# Altium PCB ЕРКФ.758725.093Д11_и1_МВВ.PcbDoc (part 1 of 3) (continued)
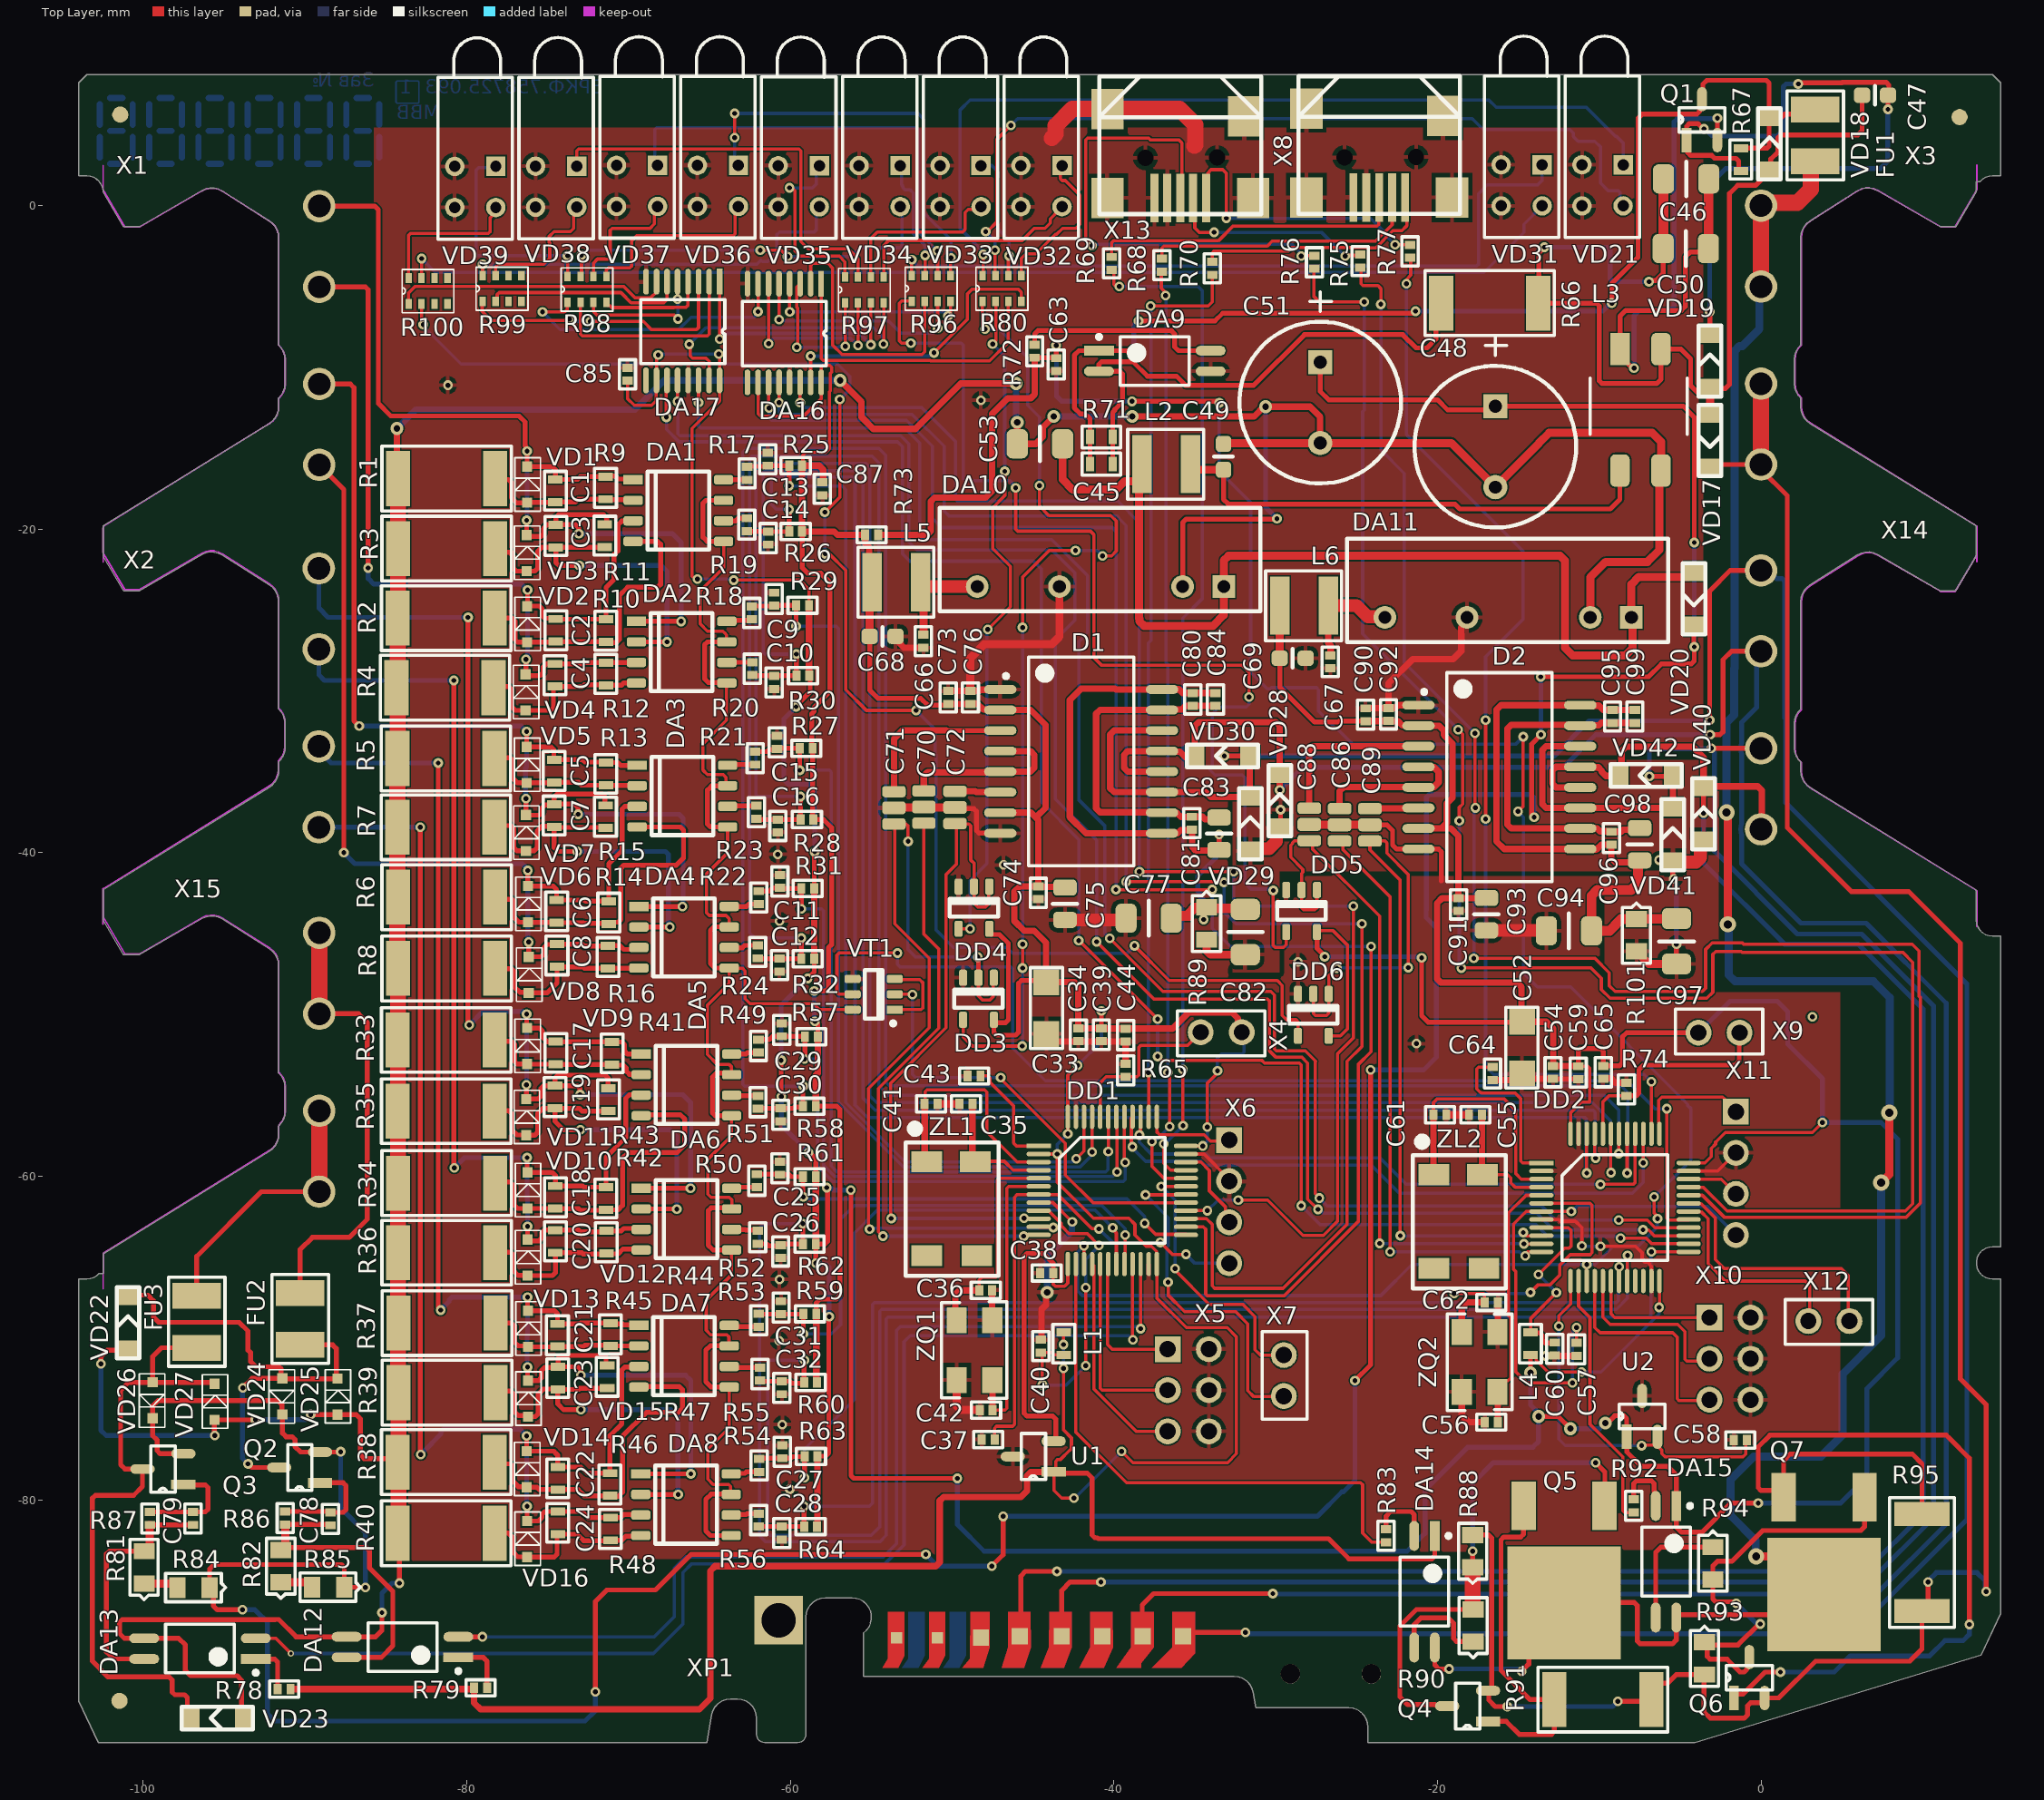
[diagram p0: Top Layer view]
## Components (designator, comment, footprint, x,y, rotation, side; value= is the part's Value field where it differs from the comment) (continued)
R21 "200" res_0402 -62.175,-34.15 r90 top
R22 "200" res_0402 -61.95,-42.775 r90 top
R23 "200" res_0402 -62.1,-37.5 r270 top
R24 "200" res_0402 -62.025,-46.125 r270 top
R25 "10k" res_0402 -59.675,-16.075 r0 top
R26 "10k" res_0402 -59.675,-20.15 r0 top
R27 "10k" res_0402 -59.025,-33.55 r0 top
R28 "10k" res_0402 -58.975,-37.95 r0 top
R29 "10k" res_0402 -59.25,-24.7 r0 top
R30 "10k" res_0402 -59.225,-29.05 r0 top
R31 "10k" res_0402 -58.925,-42.2 r0 top
R32 "10k" res_0402 -58.925,-46.55 r0 top
R33 "1.5k" 2512_res -81.275,-51.575 r0 top
R34 "1.5k" 2512_res -81.25,-60.425 r0 top
R35 "1.5k" 2512_res -81.275,-55.975 r0 top
R36 "1.5k" 2512_res -81.25,-64.725 r0 top
R37 "1.5k" 2512_res -81.225,-69.075 r0 top
R38 "1.5k" 2512_res -81.275,-77.671 r0 top
R39 "1.5k" 2512_res -81.225,-73.375 r0 top
R40 "1.5k" 2512_res -81.275,-82.071 r0 top
R41 "200" 0603_res -71.025,-52.4 r90 top
R42 "200" 0603_res -71.4,-61.375 r90 top
R43 "200" 0603_res -71.25,-55.25 r90 top
R44 "200" 0603_res -71.375,-64.075 r90 top
R45 "200" 0603_res -71.125,-69.775 r90 top
R46 "200" 0603_res -71.15,-79.05 r90 top
R47 "200" 0603_res -71.325,-72.4 r90 top
R48 "200" 0603_res -71.125,-81.8 r90 top
R49 "200" res_0402 -61.975,-51.95 r90 top
R50 "200" res_0402 -62.075,-60.275 r90 top
R51 "200" res_0402 -62,-55.425 r270 top
R52 "200" res_0402 -62.025,-63.775 r270 top
R53 "200" res_0402 -61.95,-68.9 r90 top
R54 "200" res_0402 -61.925,-77.875 r90 top
R55 "200" res_0402 -61.875,-72.225 r270 top
R56 "200" res_0402 -61.95,-81.25 r270 top
R57 "10k" res_0402 -58.7,-51.375 r0 top
R58 "10k" res_0402 -58.825,-55.675 r0 top
R59 "10k" res_0402 -58.8,-68.5 r0 top
R60 "10k" res_0402 -58.75,-72.75 r0 top
R61 "10k" res_0402 -58.825,-60.025 r0 top
R62 "10k" res_0402 -58.825,-64.2 r0 top
R63 "10k" res_0402 -58.725,-77.325 r0 top
R64 "10k" res_0402 -58.75,-81.65 r0 top
R65 "100k" res_0402 -39.275,-53.45 r270 top
R66 "1.5k" 2512_res -16.775,-6.025 r180 top
R67 "10k" 0603_res -1.25,2.85 r270 top
R68 "22" res_0402 -37.025,-3.675 r90 top
R69 "22" res_0402 -40.15,-3.575 r90 top
R70 "100k" res_0402 -33.925,-3.875 r90 top
R71 "200" 0603_res -40.775,-14.3 r180 top
R72 "200" res_0402 -44.9,-9 r270 top
R73 "10k" res_0402 -54.975,-20.35 r180 top
R74 "100k" res_0402 -8.325,-54.625 r270 top
R75 "22" res_0402 -24.775,-3.425 r90 top
R76 "22" res_0402 -27.6,-3.5 r90 top
R77 "100k" res_0402 -21.7,-2.825 r90 top
R78 "330" res_0402 -91.3,-91.7 r180 top
R79 "330" res_0402 -79.15,-91.625 r0 top
R80 "220" YC164 -48.125,-5.925 r90 top
R81 "1k" 0805-res -99.95,-84.175 r270 top
R82 "1k" 0805-res -91.5,-84.1 r270 top
R83 "330" res_0402 -23.175,-82.225 r90 top
R84 "1k" 0805-res -96.9,-85.425 r0 top
R85 "1k" 0805-res -88.575,-85.4 r0 top
R86 "2k" res_0402 -91.225,-81.125 r90 top
R87 "2k" res_0402 -99.6,-81.15 r90 top
R88 "100k" 0805-res -17.825,-83.175 r270 top
R89 "1M" 0805-res -34.275,-44.375 r90 top
R90 "10k" 0805-res -17.8,-87.775 r270 top
R91 "4.7" 2512_res -9.775,-92.35 r180 top
R92 "330" res_0402 -7.875,-80.375 r90 top
R93 "100k" 0805-res -3.5,-89.8 r90 top
R94 "10k" 0805-res -2.975,-83.925 r90 top
R95 "4.7" 2512_res 9.95,-83.875 r90 top
R96 "220" YC164 -52.5,-5.925 r90 top
R97 "220" YC164 -56.625,-6 r90 top
R98 "220" YC164 -73.775,-5.975 r90 top
R99 "220" YC164 -79.025,-5.925 r90 top
R100 "220" YC164 -83.6,-6.075 r90 top
R101 "1M" 0805-res -7.7,-45.1 r90 top
U1 "lm60" sot23 -43.725,-78.275 r180 top
U2 "lm60" sot23 -8.3,-76.1 r90 top
VD1 "1N4448" sod-323 -76.275,-17.25 r90 top
VD2 "1N4448" sod-323 -76.275,-25.875 r90 top
VD3 "1N4448" sod-323 -76.3,-21.475 r90 top
VD4 "1N4448" sod-323 -76.375,-30.085 r90 top
VD5 "1N4448" sod-323 -76.3,-34.575 r90 top
VD6 "1N4448" sod-323 -76.225,-43.175 r90 top
VD7 "1N4448" sod-323 -76.35,-38.775 r90 top
VD8 "1N4448" sod-323 -76.175,-47.55 r90 top
VD9 "1N4448" sod-323 -76.275,-51.95 r90 top
VD10 "1N4448" sod-323 -76.25,-60.875 r90 top
VD11 "1N4448" sod-323 -76.325,-56.35 r90 top
VD12 "1N4448" sod-323 -76.25,-65.025 r90 top
VD13 "1N4448" sod-323 -76.225,-69.425 r90 top
VD14 "1N4448" sod-323 -76.3,-78.11 r90 top
VD15 "1N4448" sod-323 -76.225,-73.75 r90 top
VD16 "1N4448" sod-323 -76.275,-82.425 r90 top
VD17 "1N4448W" SOD-123 -3.15,-14.525 r270 top
VD18 "PTVS33VS1UTR" SOD-123 0.525,3.825 r90 top
VD19 "MMSZ5252BT1G" SOD-123 -3.15,-9.6 r90 top
VD20 "1N4448W" SOD-123 -4.15,-24.3 r270 top
VD21 "Diod_sv_L-7104F0" L-7104_ -8.525,2.525 r270 top locked
VD22 "PTVS33VS1UTR" SOD-123 -100.95,-69.05 r90 top
VD23 "PTVS33VS1UTR" SOD-123 -95.425,-93.5 r180 top
VD24 "1N4448" sod-323 -91.4,-73.6 r270 top
VD25 "1N4448" sod-323 -88,-73.625 r90 top
VD26 "1N4448" sod-323 -99.425,-73.85 r270 top
VD27 "1N4448" sod-323 -95.6,-73.94 r90 top
VD28 "PTVS33VS1UTR" SOD-123 -29.75,-36.775 r90 top
VD29 "PTVS33VS1UTR" SOD-123 -31.575,-38.2 r90 top
VD30 "PTVS33VS1UTR" SOD-123 -33.3,-34.025 r180 top
VD31 "Diod_sv_L-7104F0" L-7104_ -13.525,2.525 r270 top locked
VD32 "Diod_sv_L-7104F0" L-7104_ -43.21,2.475 r270 top locked
VD33 "Diod_sv_L-7104F0" L-7104_ -48.21,2.475 r270 top locked
VD34 "Diod_sv_L-7104F0" L-7104_ -53.21,2.475 r270 top locked
VD35 "Diod_sv_L-7104F0" L-7104_ -58.21,2.465 r270 top locked
VD36 "Diod_sv_L-7104F0" L-7104_ -63.21,2.49 r270 top locked
VD37 "Diod_sv_L-7104F0" L-7104_ -68.21,2.49 r270 top locked
VD38 "Diod_sv_L-7104F0" L-7104_ -73.21,2.44 r270 top locked
VD39 "Diod_sv_L-7104F0" L-7104_ -78.21,2.425 r270 top locked
VD40 "PTVS33VS1UTR" SOD-123 -3.55,-37.6 r90 top
VD41 "PTVS33VS1UTR" SOD-123 -5.45,-38.875 r90 top
VD42 "PTVS33VS1UTR" SOD-123 -7.1,-35.225 r180 top
VT1 "6N7002" sot-23-6 -54.85,-48.75 r180 top
X1 "pxc_2203902/3" pxc_2203902 -91.035,-22.025 r0 top locked
X2 "pxc_2203902/3" pxc_2203902 -91.06,-44.425 r0 top locked
X3 "pxc_2203902/3" pxc_2203903 2.015,-22 r0 top locked
X4 "pls2x2.54" pls2x2.54 -32.1,-51.1 r180 top
X5 "PLD-6" PLD6 -36.675,-70.685 r0 top
X6 "PLS-4R" pls-4r -32.875,-57.76 r0 top
X7 "pls2x2.54" pls2x2.54 -29.5,-71.05 r270 top
X8 "miniUSB" miniUSB -23.6,0.5 r270 top locked
X9 "pls2x2.54" pls2x2.54 -3.865,-51.125 r0 top
X10 "PLD-6" PLD6 -3.19,-68.735 r0 top
X11 "PLS-4R" pls-4r -1.55,-56.01 r0 top
X12 "pls2x2.54" pls2x2.54 5.465,-68.95 r180 top
X13 "miniUSB" miniUSB -35.9,0.475 r270 top locked
X14 "pxc_2203902/3" pxc_2203903 2.015,-44.55 r0 top locked
X15 "pxc_2203902/3" pxc_2203902 -91.035,-66.95 r0 top locked
XP1 "TBUS8-25,0-PPPPPPSS-7035 - 2202895" "TBUS8-25,0-PPPPPPSS-7035 - 2202895" -60.725,-87.425 r270 top
ZL1 "KVARTZ_32" zm206 -51.875,-59.4 r0 top
ZL2 "KVARTZ_32" zm206 -20.525,-60.2 r0 top
ZQ1 "ESX-53-DU" ECX-53B-DU -48.625,-70.75 r270 top
ZQ2 "ESX-53-DU" ECX-53B-DU -17.4,-71.475 r90 top

## Footprints (in the part's own frame and the unit in brackets; to place one, negate y for a bottom-side part, rotate by r counter-clockwise, add the part's x,y. Pads: shape width x height; smd on the part's side, far side on the other; paste and mask are expansions set on the pad)
0603_cap [mm]
  rect 0.5x0.9 smd: 1(-0.7,0) 2(0.7,0)
  silkscreen extent -1.2,-0.67 1.2,0.67, body extent -0.8,-0.4 0.8,0.4, height 0.3
0603_ind [mm]
  rect 0.5x0.9 smd: 1(-0.7,0) 2(0.7,0)
  silkscreen extent -1.2,-0.67 1.2,0.67, body extent -0.8,-0.4 0.8,0.4, height 0.8
0603_res [mm]
  rect 0.5x0.9 smd: 1(-0.7,0) 2(0.7,0)
  silkscreen extent -1.2,-0.67 1.2,0.67, body extent -0.85,-0.4 0.85,0.4, height 0.56
0805-res [mm]
  rect 1x1.3 smd: 1(-1,0) 2(1,0)
  silkscreen extent -1.73,-0.87 2,0.87, body extent -1.15,-0.67 1.15,0.68, height 0.76
1206-cap [mm]
  rect 1.6x1.6 smd: 1(-1.6,0) 2(1.6,0)
  silkscreen extent -2.5,-1 2.5,1, body extent -1.6,-0.8 1.6,0.8, height 1
2512_res [mm]
  rect 1.5x3.4 smd: 1(-3,0) 2(3,0)
  silkscreen extent -4,-2 4,2, body extent -3.17,-1.63 3.18,1.63, height 0.58
AM1D-2405 [mm]
  rect 1.4x1.4 hole 0.8: 1(0,0)
  round 1.4 hole 0.8: 2(0,-2.54) 5(0,-10.16) 7(0,-15.24)
  silkscreen extent -4.87,-17.57 1.53,2.27, body extent -4.67,-17.42 1.34,2.08, height 10
C0603 [mm] "Chip Capacitor, 2-Leads, Body 1,60x0,80mm, IPC Medium Density"
  rrect50% 1x0.95 smd: 1(-0.8,0) 2(0.8,0)
  silkscreen extent 0,-0.58 0,0.58, body extent -0.88,-0.48 0.87,0.48, height 0.87
C0805_ [mm]
  rrect50% 1x1.45 smd: 1(-1,0) 2(1,0)
  silkscreen extent 0,-0.75 0,0.75, body extent -1,-0.62 1,0.63, height 0.78
C1206_ [mm]
  rrect50% 1.3x1.8 smd: 1(-1.4,0) 2(1.4,0)
  silkscreen extent 0,-1.07 0,1.07, body extent -1.6,-0.8 1.6,0.8, height 1
cap_0402 [mm]
  rect 0.5x0.65 smd: 1(-0.4,0) 2(0.4,0)
  silkscreen extent -0.9,-0.5 0.9,0.5, body extent -0.5,-0.3 0.5,0.3, height 0.2
d-pak [mm]
  rect 1.5x3 smd: 1(1,1.5) 3(6,1.5)
  rect 7x7 smd: 2(3.5,7.5)
  body extent 0.25,0.75 6.75,10.25, height 2.3
ECX-53B-DU [mm] "SMX crystals"
  rect 1.6x1.25 smd: 1(-1.85,-1.1) 2(1.85,-1.1) 3(1.85,1.1) 4(-1.85,1.1)
  silkscreen extent -3,-2.03 2.98,2, body extent -2.5,-1.6 2.5,1.6, height 0.85
fuse1210 [mm]
  rect 1.6x3 smd: 1(-1.6,0) 2(1.6,0)
  silkscreen extent -2.75,-1.75 2.75,1.75, body extent -1.6,-1.29 1.61,1.29, height 0.67
ifsc1515 [mm]
  rect 1.2x3.6 smd: 1(-1.5,0) 2(1.5,0)
  silkscreen extent -2.32,-2.15 2.37,2.17, body extent -1.95,-1.92 2,2.03, height 1.8
L-7104_ [mm]
  rect 1.2x1.2 hole 0.7: 1(0,0)
  round 1.2 hole 0.7: 2(0,-2.54) 3(2.54,0) 4(2.54,-2.54)
  silkscreen extent -7.95,-3.57 4.5,1.03, body extent -7.23,-3.45 3.7,0.85, height 9.65
LQFP48 [mm]
  rect 1.5x0.28 smd: 1(0,0)
  oval 1.5x0.28 smd: 2(0,-0.5) 3(0,-1) 4(0,-1.5) 5(0,-2) 6(0,-2.5) 7(0,-3) 8(0,-3.5) 9(0,-4) 10(0,-4.5) 11(0,-5) 12(0,-5.5) 25(9.1,-5.5) 26(9.1,-5) 27(9.1,-4.5) 28(9.1,-4) 29(9.1,-3.5) 30(9.1,-3) 31(9.1,-2.5) 32(9.1,-2) 33(9.1,-1.5) 34(9.1,-1) 35(9.1,-0.5) 36(9.1,0)
  oval 0.28x1.5 smd: 13(1.8,-7.3) 14(2.3,-7.3) 15(2.8,-7.3) 16(3.3,-7.3) 17(3.8,-7.3) 18(4.3,-7.3) 19(4.8,-7.3) 20(5.3,-7.3) 21(5.8,-7.3) 22(6.3,-7.3) 23(6.8,-7.3) 24(7.3,-7.3) 37(7.3,1.8) 38(6.8,1.8) 39(6.3,1.8) 40(5.8,1.8) 41(5.3,1.8) 42(4.8,1.8) 43(4.3,1.8) 44(3.8,1.8) 45(3.3,1.8) 46(2.8,1.8) 47(2.3,1.8) 48(1.8,1.8)
  silkscreen extent 1.28,-6.01 7.81,0.52, body extent 0.08,-7.25 9.08,1.75, height 1.6
miniUSB [mm]
  rect 3x0.5 smd: 1(0,1.6) 2(0,0.8) 3(0,0) 4(0,-0.8) 5(0,-1.6)
  rect 2.5x2 smd: 6(-5.5,-4.5) 6(-5.05,3.95) 6(0,4.5) 6(0,-4.5)
  round 0.8 hole 1: 6(-2.5,2.275) 6(-2.475,-2.15)
  round 1 on Drill Guide: 10(-2.5,2.2) 11(-2.5,-2)
  silkscreen extent -7.5,-5 1,5, body extent -8.37,-4.88 0.87,5.03, height 3.98
NFM21C [mm]
  rrect50% 0.7x1.45 smd: 1(0,0) 2(2,0)
  rrect50% 0.8x1.45 smd: 3(1,0)
  body extent 0.02,-0.62 2.02,0.63, height 0.85
PLD6 [mm]
  rect 1.6x1.6 hole 1: 1(0,0)
  round 1.6 hole 1: 2(0,-2.54) 3(0,-5.08) 4(2.54,-5.08) 5(2.54,-2.54) 6(2.54,0)
  body extent -1.15,-6.29 3.85,1.33, height 8.5
pls2x2.54 [mm]
  round 1.6 hole 1: 1(0,0) 2(2.54,0)
  silkscreen extent -1.43,-1.33 3.97,1.45, body extent -1.28,-1.21 3.8,1.33, height 8.54
pls-4r [mm]
  rect 1.6x1.6 hole 1: 1(0,0)
  round 1.6 hole 1: 2(0,-2.54) 3(0,-5.08) 4(0,-7.62)
  body extent -0.45,-8.89 8,1.27, height 3.02
pxc_2203902 [mm]
  round 2 hole 1.4: 1(1.91,22) 2(1.91,17) 3(1.91,11) 4(1.91,6)
  Keep-Out Layer lines w0.1: -11.44,0 -11.44,2.2 -1.159,8.548 -0.966,8.697 -0.806,8.881 -0.688,9.094 -0.614,9.327 -0.59,9.569 -0.59,10.106 -0.421,10.292 -0.294,10.51 -0.216,10.75 -0.19,11 -0.19,12.5 -0.216,12.75 -0.294,12.99 -0.421,13.208 -0.59,13.394 -0.59,20.04 -0.614,20.28 -0.685,20.51 -0.801,20.721 -0.957,20.905 -1.147,21.053 -4.076,22.911 -4.31,23.026 -4.564,23.087 -4.824,23.093 -5.08,23.042 -5.319,22.936 -9.19,20.7 -10.09,20.7 -11.44,23 -11.44,24.5
  body extent -16.22,1.1 4.13,23.5, height 3.75
pxc_2203903 [mm]
  round 2 hole 1.4: 1(-2.015,22) 2(-2.015,17) 3(-2.015,11) 4(-2.015,6)
  Keep-Out Layer lines w0.1: 11.335,0 11.335,2.2 1.054,8.548 0.861,8.697 0.702,8.881 0.583,9.094 0.509,9.327 0.485,9.569 0.485,10.106 0.316,10.292 0.189,10.51 0.111,10.75 0.085,11 0.085,12.5 0.111,12.75 0.189,12.99 0.316,13.208 0.485,13.394 0.485,20.04 0.509,20.28 0.58,20.51 0.697,20.721 0.853,20.905 1.042,21.053 3.971,22.911 4.205,23.026 4.459,23.087 4.719,23.093 4.975,23.042 5.214,22.936 9.085,20.7 9.985,20.7 11.335,23 11.335,24.5
  body extent -4.18,0.99 16.17,23.39, height 20.75
rad_cap_10х12 [mm]
  rect 1.5x1.5 hole 0.8: 1(-2.5,0)
  round 1.5 hole 0.8: 2(2.5,0)
  silkscreen extent -6.85,-5 5,5, body extent -5,-5 5,5, height 12.3
res_0402 [mm]
  rect 0.5x0.65 smd: 1(-0.4,0) 2(0.4,0)
  silkscreen extent -0.9,-0.5 0.9,0.5, body extent -0.52,-0.3 0.52,0.3, height 0.34
SO-8_optocup [mm]
  rect 1.2x0.58 smd: 1(-2.794,1.905)
  rrect50% 1.2x0.58 smd: 2(-2.794,0.635) 3(-2.794,-0.635) 4(-2.794,-1.905) 5(2.794,-1.905) 6(2.794,-0.635) 7(2.794,0.635) 8(2.794,1.905)
  silkscreen extent -1.91,-2.41 1.91,2.41, body extent -2.99,-2.9 3.01,2.94, height 3.48
SOD-123 [mm]
  rect 1.2x1.2 smd: A(-1.7,0) K(1.7,0)
  silkscreen extent -2.2,-0.7 2.2,0.7, body extent -1.85,-0.8 1.85,0.8, height 1.3
sod-323 [mm]
  rect 0.63x0.63 smd: A(-1.115,0) K(1.115,0)
  silkscreen extent -1.64,-0.83 1.67,0.75, body extent -1.35,-0.72 1.35,0.63, height 0.79
SOIC_16IC_#1 [mm] "D?"
  oval 2x0.55 smd: 1(-5,4.445) 2(-5,3.175) 4(-5,0.635) 5(-5,-0.635) 6(-5,-1.905) 7(-5,-3.175) 8(-5,-4.445) 9(5,-4.445) 10(5,-3.175) 11(5,-1.905) 12(5,-0.635) 13(5,0.635) 14(5,1.905) 15(5,3.175) 16(5,4.445)
  oval 2x0.55 smd paste+0: 3(-5,1.905)
  silkscreen extent -4.77,-6.45 3.25,6.45, body extent -5.29,-6.45 5.34,6.45, height 2.72
SOIC_16IC_#2 [mm] "D?"
  oval 2x0.55 smd: 1(-5,4.445) 2(-5,3.175) 3(-5,1.905) 4(-5,0.635) 5(-5,-0.635) 6(-5,-1.905) 7(-5,-3.175) 8(-5,-4.445) 9(5,-4.445) 10(5,-3.175) 11(5,-1.905) 12(5,-0.635) 13(5,0.635) 14(5,1.905) 15(5,3.175) 16(5,4.445)
  silkscreen extent -4.77,-6.45 3.25,6.45, body extent -5.29,-6.45 5.34,6.45, height 2.72
sot23 [mm]
  rect 1.5x0.6 smd: 1(0,0)
  oval 1.5x0.6 smd: 2(2.525,-0.95) 3(0,-1.9)
  silkscreen extent 0.5,-2.38 2,0.48, body extent 0.02,-2.45 2.52,0.55, height 1.1
sot-23-5 [mm]
  rrect50% 1x0.5 smd: 1(-1.3,0.95) 2(-1.3,0) 3(-1.3,-0.95) 4(1.3,-0.95) 5(1.3,0.95)
  silkscreen extent -0.55,-1.5 0.55,1.5
sot-23-6 [mm]
  rect 1x0.5 smd: 1(-1.3,0.95)
  rrect50% 1x0.5 smd: 2(-1.3,0) 3(-1.3,-0.95) 4(1.3,-0.95) 5(1.3,0) 6(1.3,0.95)
  silkscreen extent -1.33,-1.5 0.55,1.92, body extent -0.85,-1.5 0.85,1.5, height 1.45
SRF0905 [mm] "Inductor, 4-Leads"
  rect 2x1.2 smd: 1(-3.75,-1.27)
  rrect50% 2x1.2 smd: 2(3.75,-1.27) 3(3.75,1.27) 4(-3.75,1.27)
  silkscreen extent -1.97,-3.1 1.52,2.9, body extent -4.6,-3 4.6,3, height 5
SSOP-4N [mm] "SOP, 4-Leads, Body 2,70x4,40mm, Pitch 1,27mm, IPC Medium Density"
  rect 1.85x0.6 smd: 1(-3.45,0.635)
  oval 1.85x0.6 smd: 2(-3.45,-0.635) 3(3.45,-0.635) 4(3.45,0.635)
  silkscreen extent -3.57,-1.5 2.12,1.61, body extent -2.2,-1.5 2.2,1.5, height 2.1
"TBUS8-25,0-PPPPPPSS-7035 - 2202895" [mm]
  rect 1x1 smd: 1(1,25) 2(1,22.5) 3(1,20) 4(1,17.5) 5(1,14.9) 6(1.1,12.5)
  rect 1x1 smd far side: 1c(1,25.1) 2c(1,22.5) 3c(1,20) 4c(1,17.4) 5c(1,14.9)
  rect 0.7x0.7 smd: 7(1.1,9.8) 8(1.1,7.3)
  rect 0.7x0.7 smd far side: 7f(1.1,11.07) 8f(1.1,8.6)
  rect 3x3 hole 2.1 unplated: 9(0,0)
  Top Layer region: 2.95,23.09 2.95,24.91 2.055,25.74 -0.5,25.75 -0.5,24.35 1.705,24.34
  Top Layer region: 2.95,20.89 2.95,22.39 2.67,22.39 1.705,23.2 -0.5,23.2 -0.5,21.8 1.705,21.8
  Top Layer region: 2.95,18.59 2.95,20.09 1.705,20.66 -0.5,20.65 -0.5,19.25 1.705,19.26
  Top Layer region: 2.95,16.22 2.95,17.64 1.705,18.12 -0.5,18.125 -0.5,16.75 1.705,16.72
  Top Layer region: 2.95,13.8 2.95,15.17 1.705,15.58 -0.5,15.575 -0.5,14.175 1.705,14.18
  Top Layer region: 2.95,11.36 2.95,12.65 1.705,13.04 -0.5,13.05 -0.5,11.85 2.4,11.84
  Top Layer region: 2.95,6.43 2.95,7.4 2.205,7.76 -0.5,7.76 -0.5,6.76 2.4,6.76
  Top Layer region: 2.95,8.9 2.95,9.9 2.205,10.3 -0.5,10.3 -0.5,9.3 2.4,9.3
  Top Layer lines w0.005: 2.95,5.25 ccw(c2.95,5.75) 2.97,5.25
  Bottom Layer region: 2.95,23.09 2.95,24.91 2.055,25.74 -0.5,25.75 -0.5,24.35 1.705,24.34
  Bottom Layer region: 2.95,20.89 2.95,22.39 2.67,22.39 1.705,23.2 -0.5,23.2 -0.5,21.8 1.705,21.8
  Bottom Layer region: 2.95,18.59 2.95,20.09 1.705,20.66 -0.5,20.65 -0.5,19.25 1.705,19.26
  Bottom Layer region: 2.95,16.22 2.95,17.64 1.705,18.12 -0.5,18.125 -0.5,16.75 1.705,16.72
  Bottom Layer region: 2.95,13.8 2.95,15.17 1.705,15.58 -0.5,15.575 -0.5,14.175 1.705,14.18
  Bottom Layer region: 2.95,10.17 2.95,11.17 2.205,11.57 -0.5,11.57 -0.5,10.57 2.4,10.57
  Bottom Layer region: 2.95,7.63 2.95,8.63 2.205,9.03 -0.5,9.03 -0.5,8.03 2.4,8.03
  body extent -2.65,-2.55 13.65,34.6, height 20
TSSOP16 [mm]
  rect 1.6x0.35 smd: 1(0,0)
  oval 1.6x0.35 smd: 2(0,-0.65) 3(0,-1.3) 4(0,-1.95) 5(0,-2.6) 6(0,-3.25) 7(0,-3.9) 8(0,-4.55) 9(6.1,-4.55) 10(6.1,-3.9) 11(6.1,-3.25) 12(6.1,-2.6) 13(6.1,-1.95) 14(6.1,-1.3) 15(6.1,-0.65) 16(6.1,0)
  silkscreen extent 1.1,-4.88 5.07,0.33, body extent -0.12,-4.75 6.28,0.25, height 1.1
YC164 [mm]
  rect 0.6x0.4 smd: 1(0,0) 2(0,-0.8) 3(0,-1.6) 4(0,-2.4) 5(1.6,-2.4) 6(1.6,-1.6) 7(1.6,-0.8) 8(1.6,0)
  silkscreen extent -0.55,-2.8 2.12,0.4, body extent 0,-2.82 1.6,0.38, height 0.5
zm206 [mm]
  rect 1.9x1.3 smd: 1(0.3,0.3) 2(3.3,0.3) 3(0.3,-5.5) 3(3.4,-5.5)
  silkscreen extent -1,-6.75 4.75,2.59, body extent -0.05,-6.6 3.75,1.4, height 2.53

## Part data
C1 C2 C3 C4 C5 C6 C7 C8 C9 C10 C11 C12 C13 C14 C15 C16 C17 C18 C19 C20 C21 C22 C23 C24 C25 C26 C27 C28 C29 C30 C31 C32 C33 C34 C35 C36 C37 C38 C39 C40 C41 C42 C43 C44 C45 C52 C54 C55 C56 C57 C58 C59 C60 C61 C62 C63 C64 C65 C66 C67 C73 C74 C76 C78 C79 C80 C81 C84 C85 C87 C90 C91 C92 C95 C96 C99: library part cap
C46 C50 C53: library part "Capacitor ceramic", Capacitance="10u x 100 В", Voltage="100 В"
C47: library part "Capacitor ceramic", Capacitance="0.1u x 50 В", Voltage="50 В"
C48: library part "Capacitor electrolytic", Capacitance="220uF x 63 В", Dielectric=63v, Operating Temperature="-40°C ~ 105°C", Package / Case="Radial, Can - SMD", Tolerance=±20%, Voltage="63 В", Category=Capacitors, ComponentLink1Description=Параметры, ComponentLink1URL=5\res\Справочники\Конденсаторы\KEM_A4003_EXV.pdf, Famile=Capacitor, Polarization=Polar
C49: library part "Capacitor ceramic", Capacitance="0.1u x 50v", Voltage=50v
C51: library part "Capacitor electrolytic", "10x12", Capacitance="220uF x 63 В", Dielectric=63v, Operating Temperature="-40°C ~ 105°C", Package / Case="Radial, Can - SMD", Tolerance=±20%, Voltage="63 В", Category=Capacitors, ComponentLink1Description=Параметры, ComponentLink1URL=5\res\Справочники\Конденсаторы\KEM_A4003_EXV.pdf, Famile=Capacitor, Polarization=Polar
C68 C69: library part "Capacitor ceramic", Capacitance="10u x 25 В", Voltage="25 В"
C70 C71 C72 C86 C88 C89: library part NFM21C
C75 C83 C93 C98: library part "Capacitor ceramic", Capacitance="10u x 16В", Voltage=16В
C77 C94: library part "Capacitor ceramic", Capacitance="220p x 2000В", Voltage=2000В
C82 C97: library part "Capacitor ceramic", Capacitance="1000p x 2000В", Voltage=2000В
DA1 DA2 DA3 DA4 DA5 DA6 DA7 DA8: "dual optopair"
DA10 DA11: library part AM1D-2405SH30Z, "AM1D-2403SH30Z 21.6-26.4V 3.3V 200mA 3000V 54мА 6мА 220мкF 77%"
DA16 DA17: library part 74hc595
DD3 DD4 DD5 DD6: "2NAND"
FU1 FU2 FU3: library part fuse
L1 L4: library part ind
L2 L5 L6: library part ind_b82477g4
Q1 Q4 Q6: library part npn
Q5 Q7: library part npn, "bc817"
R1 R2 R3 R4 R5 R6 R7 R8 R9 R10 R11 R12 R13 R14 R15 R16 R17 R18 R19 R20 R21 R22 R23 R24 R25 R26 R27 R28 R29 R30 R31 R32 R33 R34 R35 R36 R37 R38 R39 R40 R41 R42 R43 R44 R45 R46 R47 R48 R49 R50 R51 R52 R53 R54 R55 R56 R57 R58 R59 R60 R61 R62 R63 R64 R65 R66 R67 R68 R69 R70 R71 R72 R73 R74 R75 R76 R77 R78 R79 R81 R82 R83 R84 R85 R86 R87 R88 R89 R90 R91 R92 R93 R94 R95 R101: library part res
R80 R96 R97 R98 R99 R100: library part res_array, "YC164"
VD17 VD20: library part 1N4448
VD18 VD22 VD23 VD28 VD29 VD30 VD40 VD41 VD42: "PTVS33VS1UTR,115, TVS DIODE 33VWM 53.3VC SOD123W"
  VD18: Type=PTVS33VS1UTR
  VD22 VD23 VD28 VD29 VD30 VD40 VD41 VD42: Type=P6SMB
VD19: library part stab, "MMSZ5252BT1G, Стабилитрон 0.5Вт 24В"
VT1: library part 6n7002
ZQ1 ZQ2: library part REZONATOR, "Crystal", Type=24MHz
D1 D2: Type=ADM2682E
DA9 DA12 DA13 DA14 DA15: Type=PS2801C-1
VD21 VD31 VD32 VD33 VD34 VD35 VD36 VD37 VD38 VD39: Type=L-7104F0
XP1: Type="TBUS8-25,0-PPPPPPSS-7035 - 2202895"

## Free pads (board coordinates)
  round 2.1 hole 2.1: 1(-60.739,-87.456)
  round 1.2 hole 1.2: 1(-29.089,-90.756) 1(-24.089,-90.756)
  round 1 smd mask+1: 4(-101.475,-92.425) 4(-101.425,5.625) 4(12.275,5.475)

## Via types
v1: diameter 0.6, hole 0.3, Top Layer to Bottom Layer, 361 vias
v2: diameter 0.8, hole 0.4, Top Layer to Bottom Layer, 12 vias
v3: diameter 1, hole 0.5, Top Layer to Bottom Layer, 5 vias
v4: diameter 0.4, hole 0.2, Top Layer to Bottom Layer, 1 vias

## Nets (pads, with @x,y where several pads share a name; then routed paths per layer and width w, separated by ;. In a path a pad name is that pad's centre, name@x,y a point inside that pad or via, vN(x,y) a via of type N, cw(c..) or ccw(c..) an arc to the next point about the centre after c; other vN are vias at no path point)
1in1: C13.2 DD1.46 R17.2 R25.1 | length 64
  Top Layer w0.2: v1(-42.325,-58.925) -41.85,-58.45 DD1.46@-41.85,-56.325
  Top Layer w0.3: R17.2@-62.675,-16.15 -62.637,-16.112 -61.437,-16.112 C13.2@-61.4,-16.075 R25.1@-60.075,-16.075 v1(-60.075,-17.325)
  Bottom Layer w0.2: v1(-60.075,-17.325) -56.8,-17.325 -56.575,-17.55 -56.575,-55.449 -52.899,-59.125 -42.525,-59.125 v1(-42.325,-58.925)
1in2: C9.2 DD1.45 R18.2 R29.1 | length 56
  Top Layer w0.2: v1(-41.35,-58.5) DD1.45@-41.35,-56.325
  Top Layer w0.3: R18.2@-62.375,-24.775 -62.35,-24.75 C9.2@-61.025,-24.75 ; v1(-59.65,-26) R29.1@-59.65,-24.7 -59.662,-24.712 -60.988,-24.712 C9.2@-61,-24.725 ; C9.2@-61.025,-24.75 C9.2@-61,-24.725 ; C9.2@-61.025,-24.75 C9.2@-61,-24.725
  Bottom Layer w0.2: v1(-59.65,-26) -57.175,-26 -57.025,-26.15 -57.025,-55.424 -53.024,-59.425 -42.093,-59.425 -41.35,-58.682 v1(-41.35,-58.5)
1in3: C15.2 DD1.43 R21.2 R27.1 | length 51.1
  Top Layer w0.2: v1(-40.35,-58.475) DD1.43@-40.35,-56.325
  Top Layer w0.3: R21.2@-62.175,-33.75 -61.45,-33.75 -61.325,-33.625 -60.875,-33.625 C15.2@-60.825,-33.575 -60.8,-33.55 R27.1@-59.425,-33.55 v1(-59.425,-34.9)
  Bottom Layer w0.2: v1(-59.425,-34.9) -57.592,-34.9 -57.475,-35.017 -57.475,-59.376 -57.126,-59.725 -40.5,-59.725 -40.375,-59.6 -40.375,-58.5 v1(-40.35,-58.475)
1in4: C11.2 DD1.42 R22.2 R31.1 | length 43.1
  Top Layer w0.2: DD1.42@-39.85,-56.325 -39.8,-56.375 v1(-39.8,-59.725)
  Top Layer w0.3: R22.2@-61.95,-42.375 -61.3,-42.375 -61.1,-42.175 C11.2@-60.65,-42.175 -60.625,-42.2 R31.1@-59.325,-42.2 v1(-59.325,-43.475)
  Bottom Layer w0.2: v1(-59.325,-43.475) -58.067,-43.475 -57.95,-43.592 -57.95,-59.326 -57.251,-60.025 -40.1,-60.025 v1(-39.8,-59.725)
1in5: C29.2 DD1.41 R49.2 R57.1 | length 35.1
  Top Layer w0.2: DD1.41@-39.35,-56.325 -39.35,-59.1 v1(-39.3,-59.15)
  Top Layer w0.3: R49.2@-61.975,-51.55 -61.3,-51.55 -61.1,-51.35 C29.2@-60.525,-51.35 -59.125,-51.35 R57.1@-59.1,-51.375 -59.1,-52.725 v1(-59.125,-52.75)
  Bottom Layer w0.2: v1(-59.125,-52.75) -58.442,-52.75 -58.325,-52.867 -58.325,-59.375 -57.375,-60.325 -39.417,-60.325 -39.3,-60.208 v1(-39.3,-59.15)
1in6: C25.2 DD1.25 R50.2 R61.1 | length 29
  Top Layer w0.2: v1(-38.1,-62.911) -37.423,-63.588 -35.587,-63.588 DD1.25@-35.55,-63.625
  Top Layer w0.3: R50.2@-62.075,-59.875 -60.675,-59.875 C25.2@-60.65,-59.9 -60.075,-59.9 -59.95,-60.025 R61.1@-59.225,-60.025 -59.225,-61.25 v1(-59.2,-61.275)
  Bottom Layer w0.2: v1(-59.2,-61.275) -59.123,-61.352 -58.931,-61.352 -58.883,-61.4 -39.197,-61.4 -38.1,-62.497 v1(-38.1,-62.911)
1in7: C31.2 DD1.20 R53.2 R59.1 | length 33.8
  Top Layer w0.2: DD1.20@-39.35,-65.425 -39.3,-65.375 v1(-39.3,-63.625)
  Top Layer w0.3: R53.2@-61.95,-68.5 -61.925,-68.525 C31.2@-60.575,-68.525 -59.225,-68.525 R59.1@-59.2,-68.5 v1(-59.2,-69.75)
  Bottom Layer w0.2: v1(-59.2,-69.75) -57.475,-69.75 -56.9,-69.175 -56.9,-62.65 -56.05,-61.8 -40.743,-61.8 -39.3,-63.243 v1(-39.3,-63.625)
1in8: C27.2 DD1.19 R54.2 R63.1 | length 39.9
  Top Layer w0.2: v1(-40.075,-63.175) -40.05,-63.2 -40.05,-63.308 -39.85,-63.508 DD1.19@-39.85,-65.425
  Top Layer w0.3: R54.2@-61.925,-77.475 -61.875,-77.425 C27.2@-60.5,-77.425 -59.975,-77.425 -59.875,-77.325 R63.1@-59.125,-77.325 v1(-59.125,-78.625)
  Bottom Layer w0.2: v1(-59.125,-78.625) -59.125,-76.875 -56.05,-73.8 -56.05,-63.509 -54.641,-62.1 -41.15,-62.1 v1(-40.075,-63.175)
2in1: C14.2 DD2.46 R19.2 R26.1 | length 102.1
  Top Layer w0.2: v1(-10.775,-59.8) DD2.46@-10.775,-57.375
  Top Layer w0.3: R19.2@-62.7,-20.125 -62.687,-20.137 -61.387,-20.137 C14.2@-61.375,-20.15 R26.1@-60.075,-20.15 v1(-60.075,-18.775)
  Bottom Layer w0.2: v1(-60.075,-18.775) -60.875,-18.775 -61.175,-18.475 -61.175,-16.892 -61.058,-16.775 -56.15,-16.775 -56,-16.925 -56,-55.25 -56,-55.6 -55.225,-56.375 -10.875,-56.375 -10.8,-56.45 -10.8,-59.775 v1(-10.775,-59.8)
2in2: C10.2 DD2.45 R20.2 R30.1 | length 112.2
  Top Layer w0.2: DD2.45@-10.275,-57.375 -10.275,-58.825 v1(-10.225,-58.875)
  Top Layer w0.3: R20.2@-62.35,-29.025 -62.325,-29.05 -61.025,-29.05 C10.2@-61,-29.075 -60.988,-29.062 -59.637,-29.062 R30.1@-59.625,-29.05 v1(-59.625,-27.725)
  Bottom Layer w0.2: v1(-59.625,-27.725) -61.558,-27.725 -61.675,-27.608 -61.675,-16.492 -61.558,-16.375 -55.617,-16.375 -55.5,-16.492 -55.5,-55.175 -54.75,-55.925 -10.375,-55.925 -10.25,-56.05 -10.25,-58.85 v1(-10.225,-58.875)
2in3: C16.2 DD2.43 R23.2 R28.1 | length 125.4
  Top Layer w0.2: v1(-9.279,-59.776) -9.3,-59.756 -9.3,-57.4 DD2.43@-9.275,-57.375
  Top Layer w0.3: R23.2@-62.1,-37.9 -62.05,-37.95 C16.2@-60.775,-37.95 R28.1@-59.375,-37.95 v1(-59.375,-36.525)
  Bottom Layer w0.2: v1(-59.375,-36.525) -62.008,-36.525 -62.125,-36.408 -62.125,-16.042 -62.008,-15.925 -55.325,-15.925 -55.1,-16.15 -55.1,-55.025 -54.675,-55.45 -10.426,-55.45 -9.3,-56.576 -9.3,-59.756 v1(-9.279,-59.776)
2in4: C12.2 DD2.42 R24.2 R32.1 | length 133.7
  Top Layer w0.2: v1(-8.8,-58.6) -8.8,-57.45 -8.75,-57.4 DD2.42@-8.775,-57.375
  Top Layer w0.3: R24.2@-62.025,-46.525 -62,-46.55 C12.2@-60.675,-46.55 R32.1@-59.325,-46.55 v1(-59.325,-45.275)
  Bottom Layer w0.2: v1(-59.325,-45.275) -62.2,-45.275 -62.525,-44.95 -62.525,-15.592 -62.408,-15.475 -54.95,-15.475 -54.525,-15.9 -54.525,-54.4 -53.925,-55 -9.701,-55 -8.8,-55.901 v1(-8.8,-58.6)
2in5: C30.2 DD2.41 R51.2 R58.1 | length 148.4
  Top Layer w0.2: v1(-8.275,-59.8) DD2.41@-8.275,-57.375
  Top Layer w0.3: R51.2@-62,-55.825 -61.975,-55.8 C30.2@-60.6,-55.8 -59.825,-55.8 -59.749,-55.724 -59.274,-55.724 R58.1@-59.225,-55.675 -59.225,-54.45 v1(-59.2,-54.425)
  Bottom Layer w0.2: v1(-59.2,-54.425) -62.833,-54.425 -62.95,-54.308 -62.95,-15.25 -62.7,-15 -54.525,-15 -54.1,-15.425 -54.1,-54.175 -53.875,-54.4 -8.65,-54.4 -8.225,-54.825 -8.225,-59.609 -8.237,-59.62 -8.237,-59.762 v1(-8.275,-59.8)
2in6: C26.2 DD2.25 R52.2 R62.1 | length 101.1
  Top Layer w0.2: v1(-6.775,-64.675) DD2.25@-4.475,-64.675
  Top Layer w0.3: R52.2@-62.025,-64.175 -61.475,-64.175 -61.35,-64.3 -60.65,-64.3 C26.2@-60.6,-64.25 -60.55,-64.2 R62.1@-59.225,-64.2 v1(-59.225,-62.925)
  Bottom Layer w0.2: v1(-59.225,-62.925) -61.625,-62.925 -61.9,-63.2 -61.9,-82.225 -61.55,-82.575 -54.45,-82.575 -54.075,-82.2 -54.075,-68.817 -53.958,-68.7 -6.917,-68.7 -6.8,-68.583 -6.8,-64.7 v1(-6.775,-64.675)
2in7: C32.2 DD2.20 R55.2 R60.1 | length 88.4
  Top Layer w0.2: DD2.20@-8.275,-66.475 -8.25,-66.45 v1(-8.25,-64.9)
  Top Layer w0.3: R55.2@-61.875,-72.625 -61.825,-72.675 C32.2@-60.525,-72.675 -60.025,-72.675 -59.9,-72.8 -59.2,-72.8 R60.1@-59.15,-72.75 -59.15,-71.4 v1(-59.125,-71.375)
  Bottom Layer w0.2: v1(-59.125,-71.375) -61.283,-71.375 -61.4,-71.492 -61.4,-82.075 -61.275,-82.2 -55,-82.2 -54.475,-81.675 -54.475,-68.342 -54.358,-68.225 -8.943,-68.225 -8.25,-67.532 v1(-8.25,-64.9)
2in8: C28.2 DD2.19 R56.2 R64.1 | length 69.8
  Top Layer w0.2: DD2.19@-8.775,-66.475 -8.784,-66.466 -8.784,-65.609 v1(-8.775,-65.6)
  Top Layer w0.3: R56.2@-61.95,-81.65 C28.2@-60.525,-81.65 R64.1@-59.15,-81.65 v1(-59.15,-80.4)
  Bottom Layer w0.2: v1(-59.15,-80.4) -55.125,-80.4 -54.925,-80.2 -54.925,-67.917 -54.808,-67.8 -8.942,-67.8 -8.825,-67.683 -8.825,-65.65 v1(-8.775,-65.6)
3v_1: C33.2 C34.1 C39.2 C44.2 C68.2 C73.1 C74.2 C75.2 C76.1 C87.1 D1.2 D1.7 DA14.1 DA16.10 DA16.16 DD1.2 DD1.24 DD1.36 DD1.48 DD3.5 DD4.5 L1.1 L5.2 R25.2 R26.2 R27.2 R28.2 R57.2 R58.2 R59.2 R60.2 R73.2 R78.1 R79.1 U1.1 X4.1 | length 323.6
  Top Layer w0.2: DA16.10@-62,-10.925 -62,-12.85 -61.843,-13.007 -59.168,-13.007 -58.1,-11.939 DA16.16@-58.1,-11.151 ; R25.2@-59.275,-16.075 -59.225,-16.025 -59.225,-15.425 -59.05,-15.25 -57.825,-15.25 -57.575,-15 -57.575,-11.5 -57.525,-11.45 -57.525,-10.362 -57.45,-10.287 -57.45,-9.992 -57.567,-9.875 -57.983,-9.875 -58.1,-9.992 DA16.16@-58.1,-10.925 ; D1.7@-47.025,-37.525 D1.7@-46.937,-37.525 ; DD1.2@-44.65,-58.625 v1(-43.5,-58.625) -43.5,-60.375 -41.275,-62.6 -39.075,-62.6 -38.7,-62.975 -38.7,-63.625 -38,-64.325 -37.679,-64.325 -37.365,-64.639 -37.365,-65.41 DD1.24@-37.35,-65.425 -37.35,-67.525 -35.525,-69.35 -33,-69.35 -32.425,-69.925 -32.425,-77.15 -32.975,-77.7 -38.825,-77.7 v1(-39.525,-77) ; v1(-43.125,-71.875) -43.125,-75.675 -42.625,-76.175 -42.625,-76.833 -42.742,-76.95 -42.75,-76.95 -43.3,-77.5 -43.483,-77.5 -43.6,-77.617 -43.6,-78.15 U1.1@-43.725,-78.275 -43.7,-78.3 -43.7,-79.425 -43.225,-79.9 v1(-42.475,-79.9) ; v1(-43.122,-70.399) -43.122,-69.672 L1.1@-43.1,-69.65 ; v1(-42.85,-57.375) -42.85,-56.95 -42.825,-56.925 -42.85,-56.9 DD1.48@-42.85,-56.325 -42.85,-53.75 v1(-42.25,-53.15) ; DD1.36@-35.55,-58.125 v1(-34.5,-58.125) ; v1(-34.225,-56.95) -34.225,-54.25 -33.6,-53.625 v1(-33.6,-53.475)
  Top Layer w0.3: R26.2@-59.275,-20.15 -59.275,-22.375 -58.925,-22.725 -58.125,-22.725 -57.55,-23.3 -57.55,-30.025 -58.525,-31 -58.525,-31.25 -58.675,-31.4 -58.675,-33.5 R27.2@-58.625,-33.55 R28.2@-58.625,-37.825 ; R28.2@-58.575,-37.95 -57.95,-37.95 -57.45,-38.45 -57.45,-45.675 -57.65,-45.875 -57.65,-48.374 -57.826,-48.55 v1(-58.525,-48.55) ; v1(-58.475,-50.425) -58.3,-50.6 R57.2@-58.3,-51.375 ; R58.2@-58.425,-55.675 -57.126,-55.675 -56.95,-55.851 -56.95,-67.375 -57.175,-67.6 -58.175,-67.6 -58.4,-67.825 R59.2@-58.4,-68.5 ; DA16.16@-58.1,-11.151 DA16.16@-58.1,-10.925 ; C68.2@-55.1,-26.625 -55.1,-29.95 -54.6,-30.45 -51.95,-30.45 -51.801,-30.599 -51.525,-30.875 -50.325,-30.875 C73.1@-50.25,-30.8 ; DD4.5@-47.7,-44.7 -47.7,-44.95 -47.6,-45.05 -47.075,-45.05 -46.525,-45.6 -46.525,-50.324 -46.701,-50.5 -47.325,-50.5 DD3.5@-47.425,-50.4 ; DD3.5@-47.425,-50.325 DD3.5@-47.425,-50.4 ; C33.2@-44.275,-47.9 -45.724,-47.9 -45.9,-48.076 -45.9,-51.099 -46.076,-51.275 -47.249,-51.275 -47.425,-51.099 DD3.5@-47.425,-50.4 ; U1.1@-43.7,-78.3 -43.65,-78.35 -41.65,-78.35 -41.35,-78.65 -41.35,-82.174 -41.174,-82.35 -41.025,-82.35 -40.975,-82.4 -26.725,-82.4 -25.475,-83.65 -20.341,-83.65 -20.165,-83.474 DA14.1@-20.165,-82.225 ; C39.2@-40.775,-50.85 v1(-40.775,-49.775)
  Top Layer w0.4: R78.1@-90.9,-91.7 -79.6,-91.7 R79.1@-79.55,-91.65 ; R79.1@-79.55,-91.625 R79.1@-79.55,-91.65 ; R28.2@-58.625,-37.825 -58.575,-37.875 R28.2@-58.575,-37.95 ; R58.2@-58.425,-55.675 -58.425,-53.75 -58.3,-53.625 R57.2@-58.3,-51.375 ; R59.2@-58.4,-68.5 -58.4,-72.7 R60.2@-58.35,-72.75 ; C87.1@-58.025,-17.1 -57.975,-17.05 -57.975,-16.309 -58.209,-16.075 R25.2@-59.275,-16.075 R26.2@-59.275,-20.15 -57.3,-20.15 -57.1,-20.35 R73.2@-55.375,-20.35 -55.375,-20.866 -55.131,-21.109 -55.131,-23.094 L5.2@-54.95,-23.275 ; C73.1@-50.25,-30.8 C76.1@-48.875,-30.8 -48.85,-30.775 -48.45,-30.775 -48.075,-31.15 -47.05,-31.15 D1.2@-47.025,-31.175 -45.15,-31.175 -44.225,-32.1 -44.225,-37.225 -44.75,-37.75 -44.9,-37.75 ; D1.7@-46.937,-37.525 -46.481,-37.525 -45.125,-37.525 -44.9,-37.75 ; U1.1@-43.725,-78.275 -45.141,-78.275 -45.375,-78.509 -45.375,-79.45 -45.75,-79.825 -50.541,-79.825 -50.775,-80.059 -50.775,-83.866 -51.009,-84.1 -64.65,-84.1 -64.95,-84.4 -64.95,-92.275 -65.625,-92.95 -79.15,-92.95 -79.55,-92.55 R79.1@-79.55,-91.65 ; C75.2@-43.025,-42.15 -43.062,-42.112 -44.638,-42.112 C74.2@-44.675,-42.075 ; X4.1@-32.1,-51.1 -32.33,-50.87 -32.33,-50.245 -32.7,-49.875 -35.375,-49.875 -36.375,-50.875 C44.2@-39.275,-50.875 -40.75,-50.875 C39.2@-40.775,-50.85 C34.1@-42.2,-50.85 -42.2,-48.234 -42.434,-48 C33.2@-44.175,-48 -44.275,-47.9 -44.2,-47.825 -44.2,-45.55 -44.925,-44.825 -45.55,-44.825 -46.15,-44.225 -46.15,-42.4 -45.825,-42.075 C74.2@-44.675,-42.075 ; -44.9,-37.75 -44.675,-37.975 C74.2@-44.675,-42.075
  Top Layer w0.5: C68.2@-55.1,-26.625 -55.1,-23.425 L5.2@-54.95,-23.275
  Bottom Layer w0.2: v1(-43.5,-58.625) -43.5,-58.025 v1(-42.85,-57.375) ; v1(-43.125,-71.875) -43.125,-70.402 v1(-43.122,-70.399) ; v1@-42.425,-79.9 v1(-39.525,-77) v1@-39.5,-76.975 ; v1(-42.25,-53.15) -40.775,-51.675 v1(-40.775,-49.775) ; v1(-34.5,-58.125) -34.225,-57.85 v1(-34.225,-56.95) ; v1(-33.6,-53.475) -33.6,-52.7 -33.35,-52.45 -32.067,-52.45 -31.95,-52.333 -31.95,-51.25 X4.1@-32.1,-51.1
  Bottom Layer w0.3: v1(-58.525,-48.55) -58.525,-50.375 v1(-58.475,-50.425)